# KiCad board hellen88m42bmw.kicad_pcb
title: Hellen88bmw; date: 2022-06-21; rev: B; company: rusEFI.com
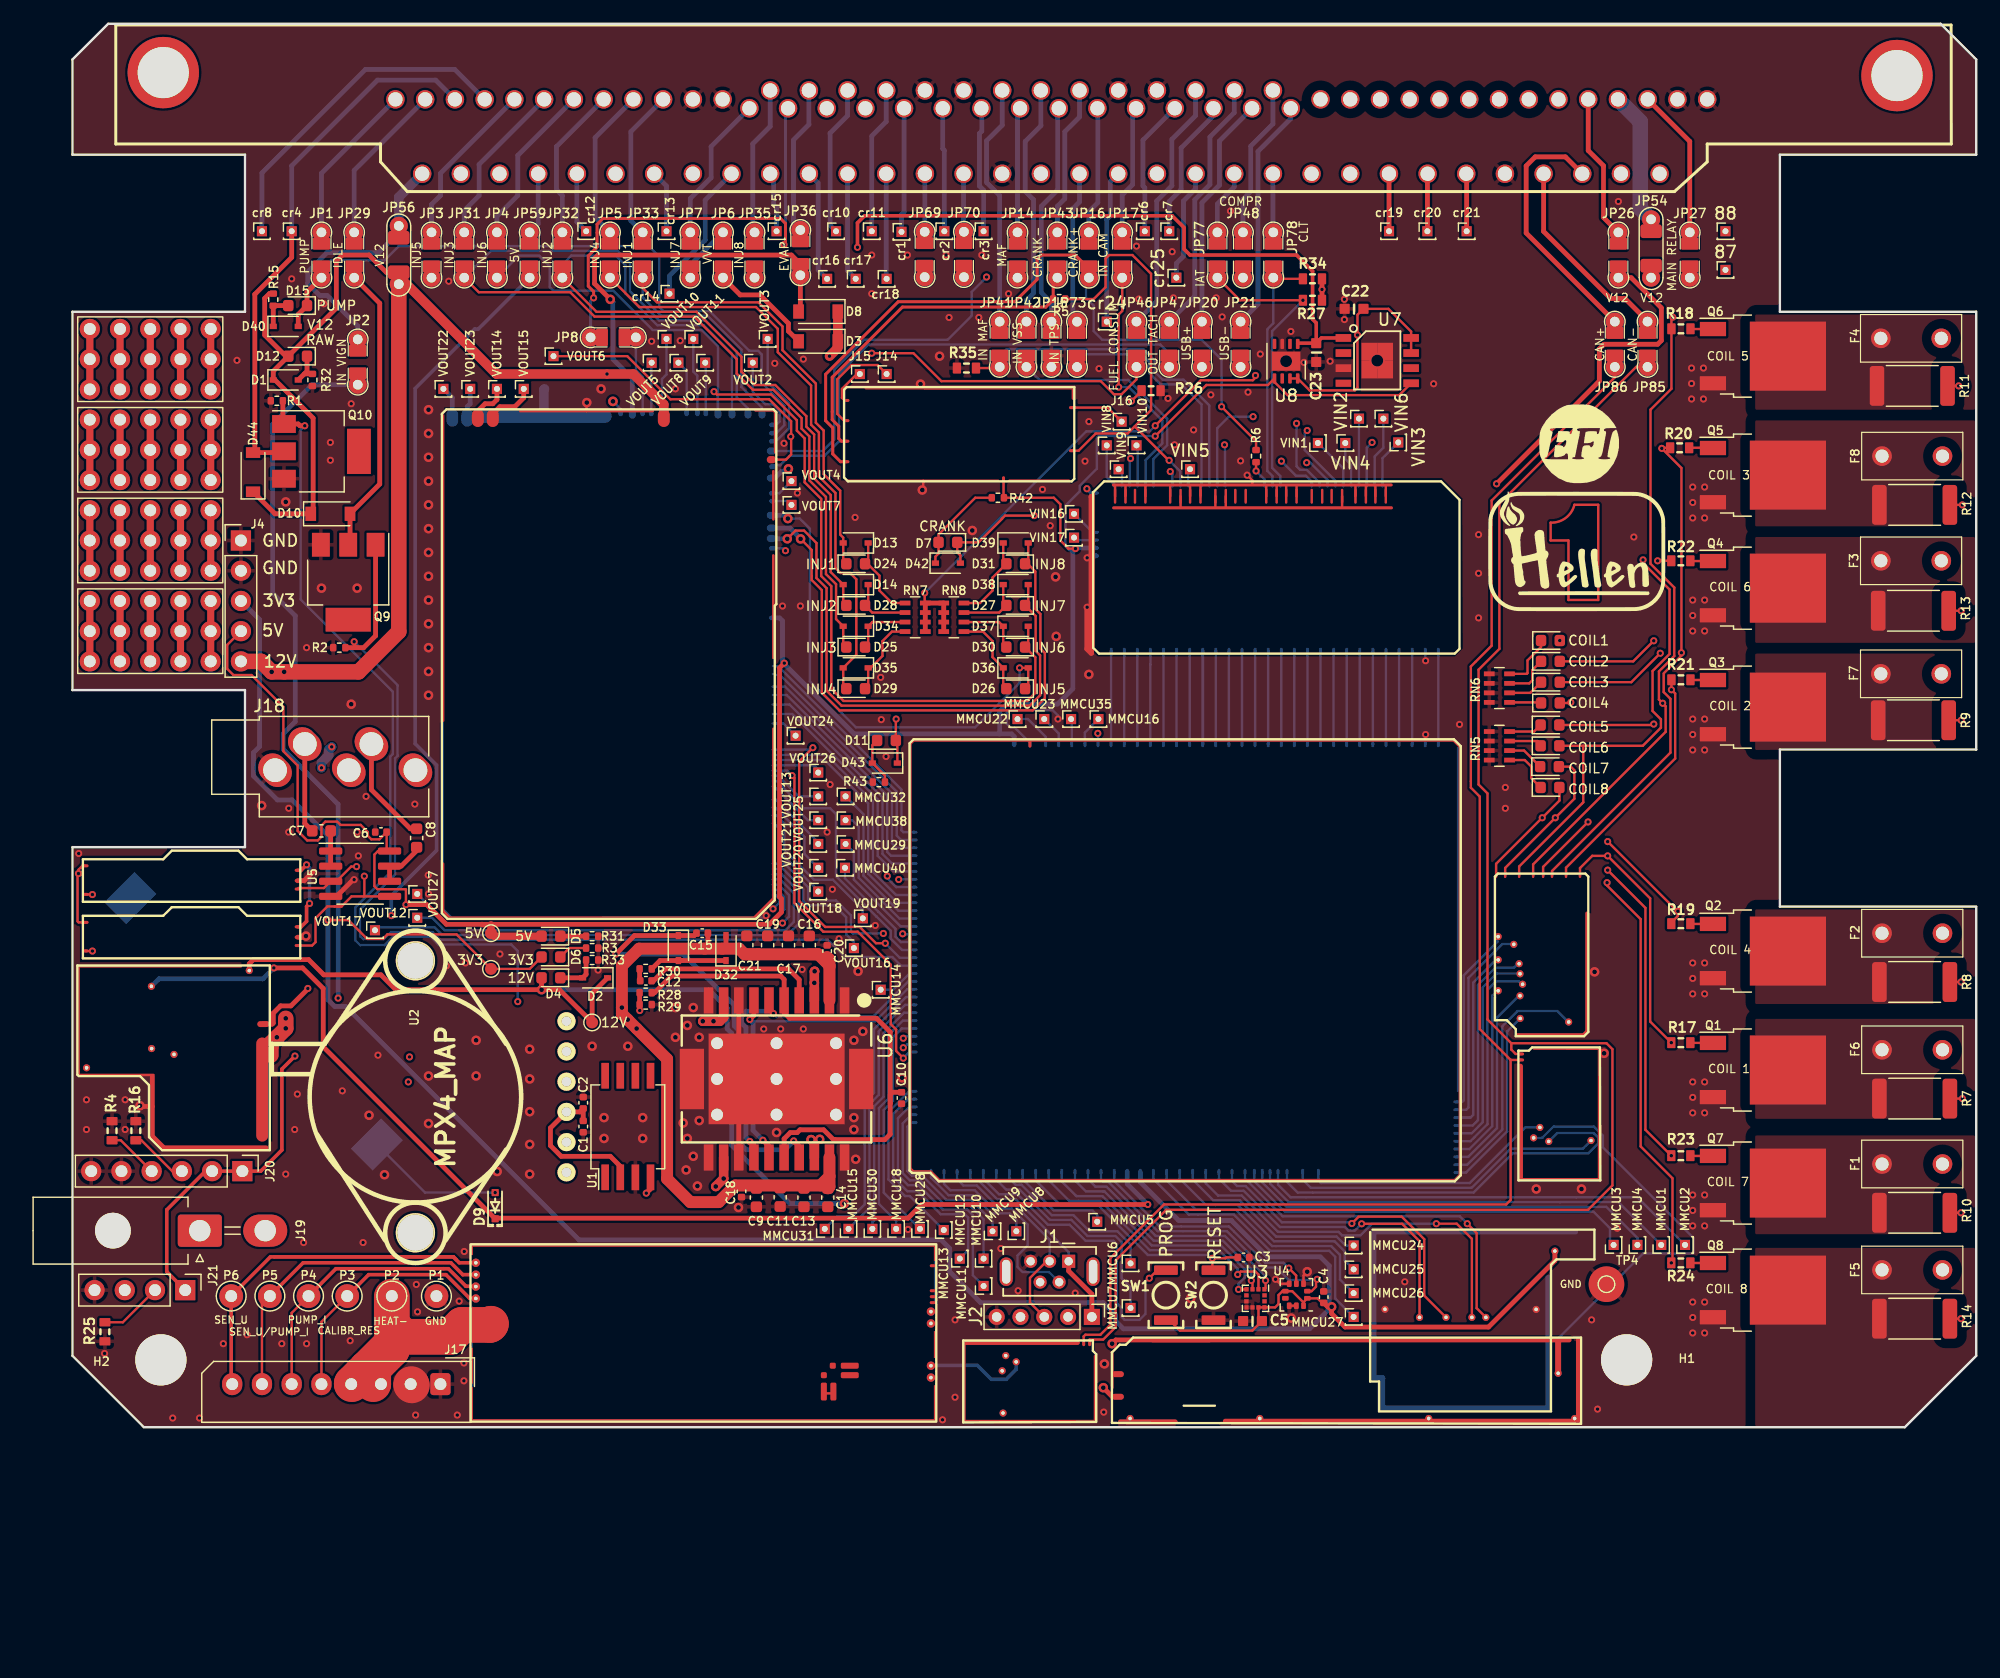
[diagram p0: board, top side]
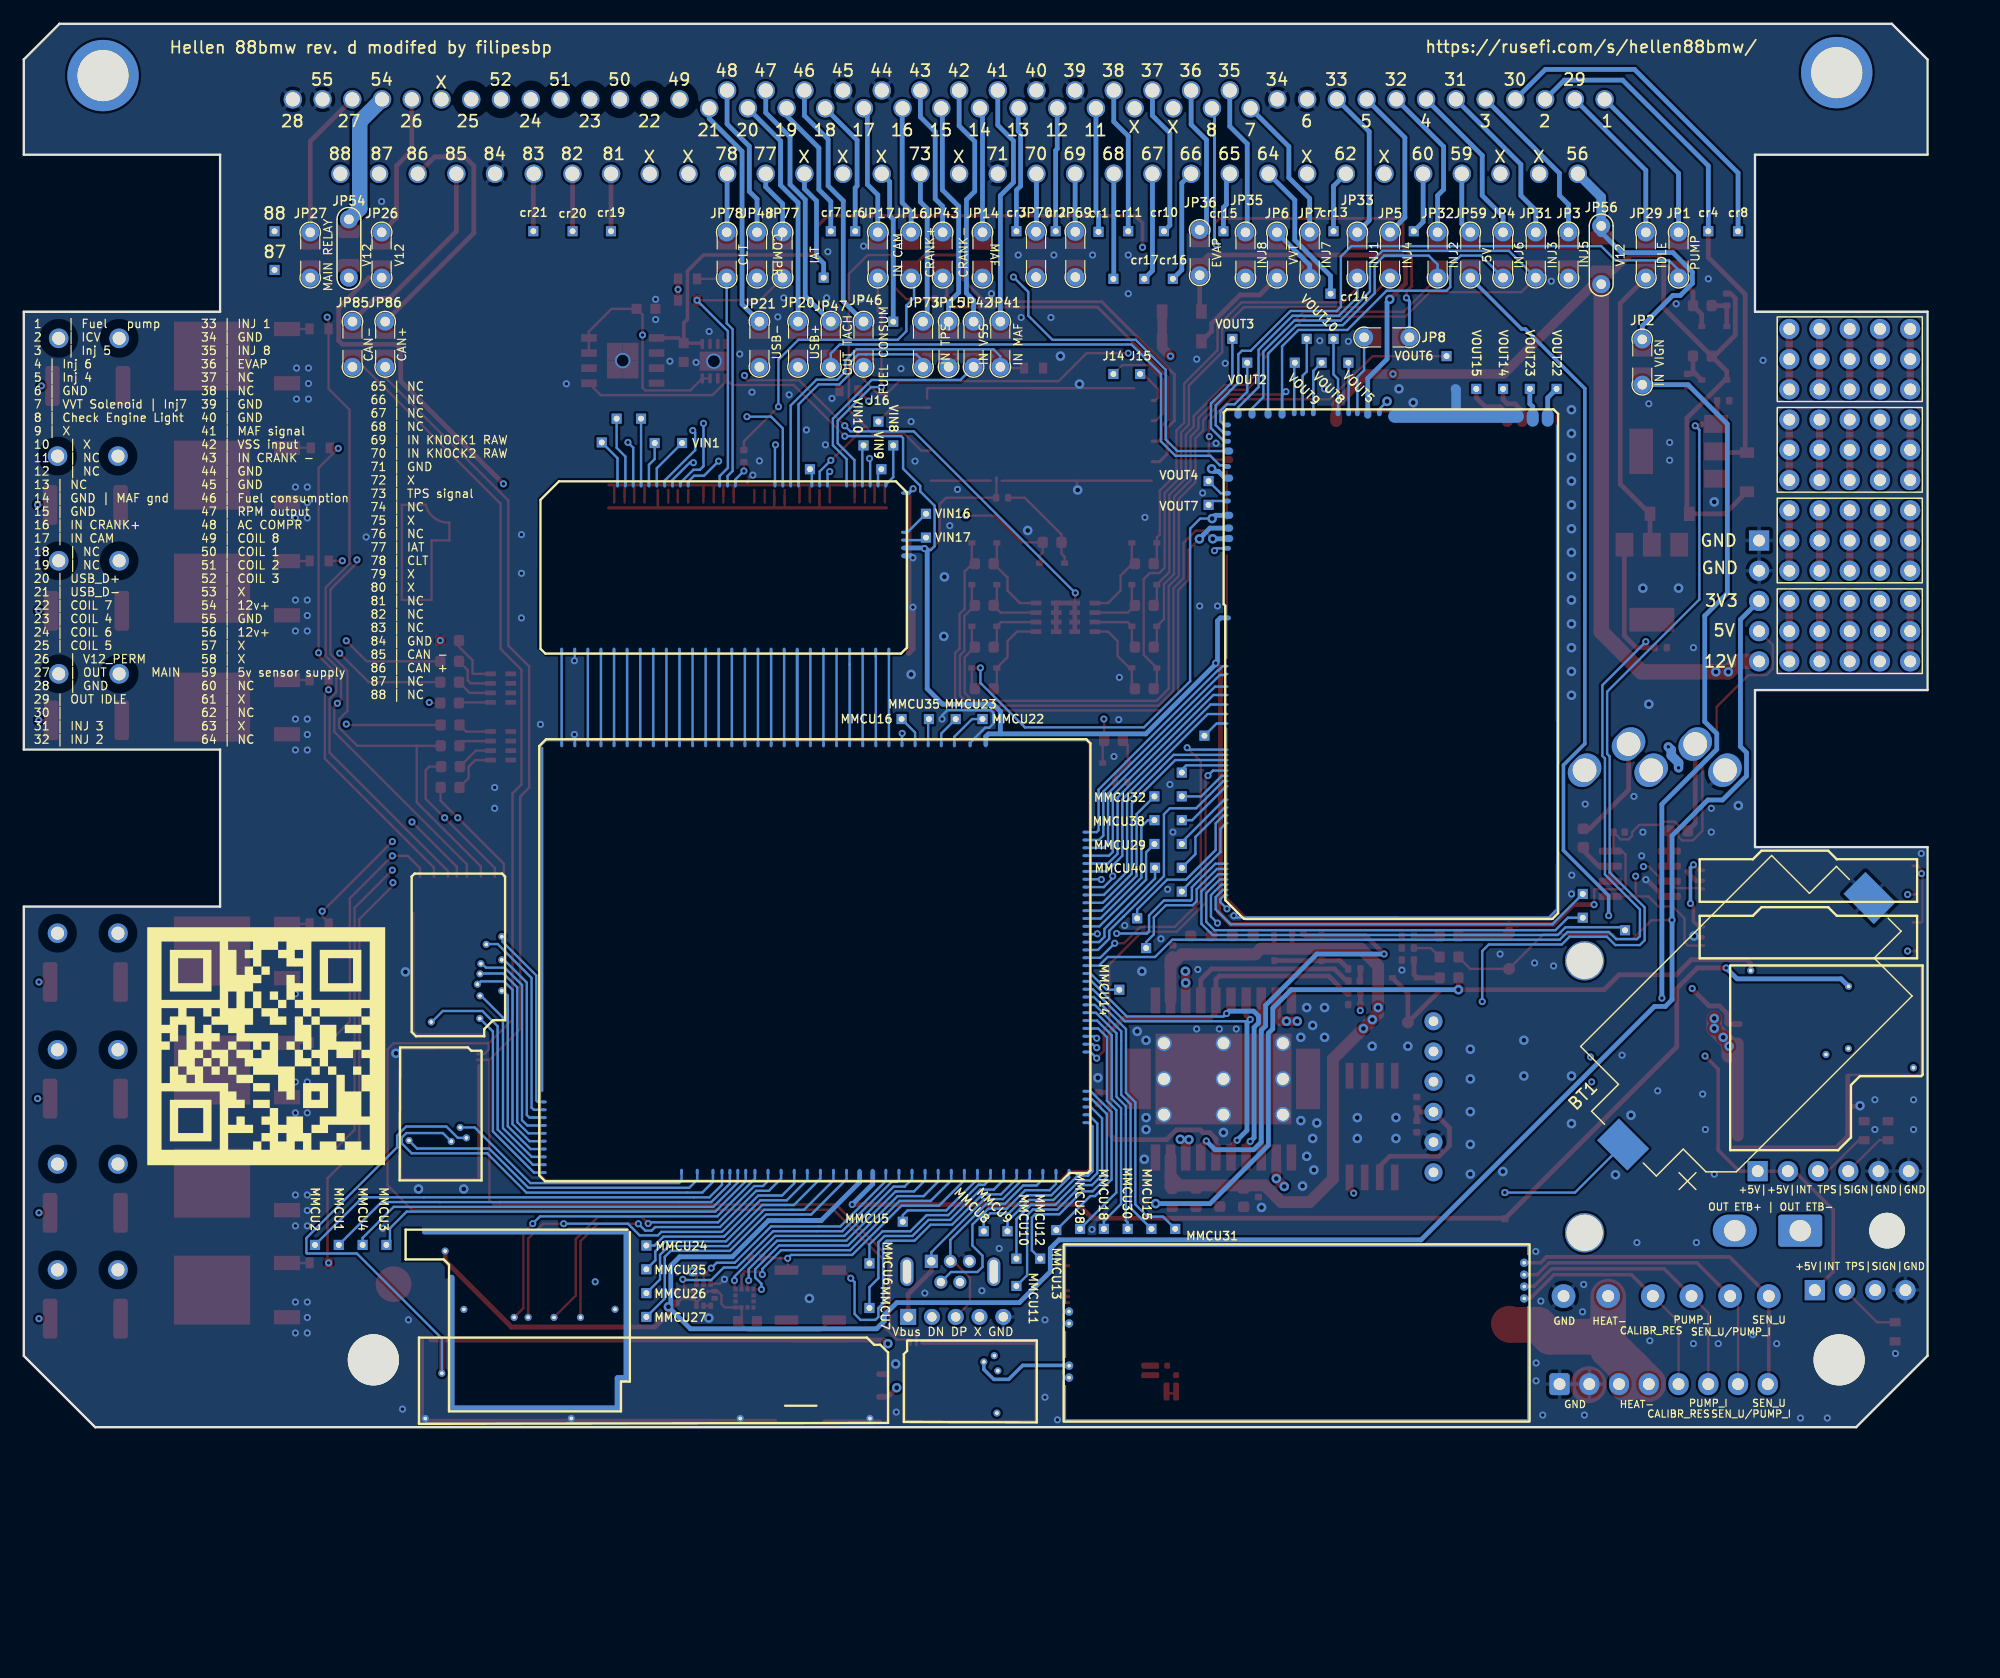
[diagram p1: board, bottom side, seen from below]

Outline 160 x 117.96 mm; copper layers: Top, In1.Cu, In2.Cu, Bottom. Coordinates in mm from the lower left corner of the outline.
Outline path: 0,114.96 3,117.96 157,117.96 160,114.96 160,106.96 143.5,106.96 143.5,93.76 160,93.76 160,56.96 143.5,56.96 143.5,43.76 160,43.76 160,6 154,0 6,0 0,6 0,48.76 14.5,48.76 14.5,61.96 0,61.96 0,93.76 14.5,93.76 14.5,106.96 0,106.96 0,114.96
Stack: Top 0.035mm / dielectric 0.125mm FR4 er 4.5 / In1.Cu 0.035mm / dielectric 1.1mm FR4 er 4.5 / In2.Cu 0.035mm / dielectric 0.125mm FR4 er 4.5 / Bottom 0.035mm

## Placement (name value [footprint] x y rotation side)
BT1  BATTERY_CR2032  [BatteryHolder_Keystone_1060_1x2032]  15.23 34.12 135 bottom
C1  100nF  [C_0402_1005Metric]  42.93 25.27 270 top
C2  100nF  [C_0402_1005Metric]  42.93 27.27 90 top
C3  100nF  [C_0402_1005Metric]  98.43 14.27 0 top
C4  100nF  [C_0402_1005Metric]  105.16 10.94 90 top
C5  100n  [C0603]  99.18 8.92 0 top
C6  100nF  [C_0402_1005Metric]  25.93 50.02 180 top
C7  10u  [C_0603_1608Metric]  20.93 50.12 180 top
C8  10u  [C_0603_1608Metric]  28.93 49.52 90 top
C9  10u  [C_0603_1608Metric]  57.48 19.3 270 top
C10  5.6nF  [C_0402_1005Metric]  69.68 27.67 270 top
C11  10u  [C_0603_1608Metric]  59.48 19.33 270 top
C12  10nF  [C_0402_1005Metric]  48.2 37.52 0 top
C13  10u  [C_0603_1608Metric]  61.48 19.3 270 top
C14  10u  [C_0603_1608Metric]  63.48 19.3 270 top
C15  220nF  [C_0402_1005Metric]  52.93 41.52 180 top
C16  10u  [C_0603_1608Metric]  61.93 40.52 90 top
C17  10u  [C_0603_1608Metric]  60.18 40.52 90 top
C18  100nF  [C_0402_1005Metric]  56.23 19.82 270 top
C19  10u  [C_0603_1608Metric]  58.43 40.52 90 top
C20  100nF  [C_0402_1005Metric]  63.43 40.02 90 top
C21  10u  [C_0603_1608Metric]  56.68 40.52 90 top
C22  1u  [C0603]  107.71 94 0 top
C23  1u  [C0603]  104.53 90.33 90 top
cr1  cr  [PinHeader_1x01_P1.00mm_Vertical]  69.68 100.47 0 top
cr2  cr  [PinHeader_1x01_P1.00mm_Vertical]  73.28 100.52 0 top
cr3  cr  [PinHeader_1x01_P1.00mm_Vertical]  76.58 100.52 0 top
cr4  cr  [PinHeader_1x01_P1.00mm_Vertical]  18.43 100.52 0 top
cr6  cr  [PinHeader_1x01_P1.00mm_Vertical]  90.13 100.52 0 top
cr7  cr  [PinHeader_1x01_P1.00mm_Vertical]  92.18 100.52 0 top
cr8  cr  [PinHeader_1x01_P1.00mm_Vertical]  15.93 100.52 0 top
cr10  cr  [PinHeader_1x01_P1.00mm_Vertical]  64.18 100.52 0 top
cr11  cr  [PinHeader_1x01_P1.00mm_Vertical]  67.18 100.52 0 top
cr12  cr  [PinHeader_1x01_P1.00mm_Vertical]  43.18 100.52 0 top
cr13  cr  [PinHeader_1x01_P1.00mm_Vertical]  49.93 100.52 0 top
cr14  cr  [PinHeader_1x01_P1.00mm_Vertical]  50.18 95.27 0 top
cr15  cr  [PinHeader_1x01_P1.00mm_Vertical]  59.18 100.52 0 top
cr16  cr  [PinHeader_1x01_P1.00mm_Vertical]  63.43 96.52 0 top
cr17  cr  [PinHeader_1x01_P1.00mm_Vertical]  65.83 96.52 0 top
cr18  cr  [PinHeader_1x01_P1.00mm_Vertical]  68.43 96.52 0 top
cr19  cr  [PinHeader_1x01_P1.00mm_Vertical]  110.65 100.52 0 top
cr20  cr  [PinHeader_1x01_P1.00mm_Vertical]  113.88 100.52 0 top
cr21  cr  [PinHeader_1x01_P1.00mm_Vertical]  117.18 100.52 0 top
cr22  cr  [PinHeader_1x01_P1.00mm_Vertical]  138.93 97.27 0 top
cr23  cr  [PinHeader_1x01_P1.00mm_Vertical]  138.93 100.52 0 top
cr24  cr  [PinHeader_1x01_P1.00mm_Vertical]  86.93 92.92 0 top
cr25  cr  [PinHeader_1x01_P1.00mm_Vertical]  92.78 96.62 0 top
D1  1N4148WS  [D_SOD-323]  17.93 88.02 0 top
D2  1N4148WS  [D_SOD-323]  43.93 37.77 180 top
D3  B5819W  [D_SOD-123]  62.68 91.27 180 top
D4  LED-GREEN-0603  [LED_0603_1608Metric]  40.21 37.77 180 top
D5  LED-GREEN-0603  [LED_0603_1608Metric]  40.21 41.27 180 top
D6  LED-GREEN-0603  [LED_0603_1608Metric]  40.21 39.52 180 top
D7  LED-WHITE-0603  [LED_0603_1608Metric]  73.58 74.37 180 top
D8  B5819W  [D_SOD-123]  62.68 93.77 180 top
D9  1N4148WS  [SOD-323]  35.53 18.62 90 top
D10  B5819W  [D_SOD-123]  21.68 76.77 0 top
D11  LED-RED-0603  [LED_0603_1608Metric]  68.41 57.72 0 top
D12  LED-GREEN-0603  [LED_0603_1608Metric]  18.93 90.02 180 top
D13  1N4148WS  [D_SOD-323]  65.83 74.32 180 top
D14  1N4148WS  [D_SOD-323]  65.83 70.82 180 top
D15  LED-RED-0603  [LED_0603_1608Metric]  18.93 94.27 180 top
D16  LED-BLUE-0603  [LED_0603_1608Metric]  124.18 53.77 0 top
D17  LED-BLUE-0603  [LED_0603_1608Metric]  124.18 57.27 0 top
D18  LED-BLUE-0603  [LED_0603_1608Metric]  124.21 60.87 0 top
D19  LED-BLUE-0603  [LED_0603_1608Metric]  124.21 64.37 0 top
D20  LED-BLUE-0603  [LED_0603_1608Metric]  124.14 55.52 0 top
D21  LED-BLUE-0603  [LED_0603_1608Metric]  124.18 59.02 0 top
D22  LED-BLUE-0603  [LED_0603_1608Metric]  124.21 62.62 0 top
D23  LED-BLUE-0603  [LED_0603_1608Metric]  124.21 66.12 0 top
D24  LED-RED-0603  [LED_0603_1608Metric]  65.83 72.57 0 top
D25  LED-RED-0603  [LED_0603_1608Metric]  65.83 65.57 0 top
D26  LED-RED-0603  [LED_0603_1608Metric]  79.28 62.07 180 top
D27  LED-RED-0603  [LED_0603_1608Metric]  79.28 69.07 180 top
D28  LED-RED-0603  [LED_0603_1608Metric]  65.83 69.07 0 top
D29  LED-RED-0603  [LED_0603_1608Metric]  65.83 62.07 0 top
D30  LED-RED-0603  [LED_0603_1608Metric]  79.28 65.57 180 top
D31  LED-RED-0603  [LED_0603_1608Metric]  79.28 72.57 180 top
D32  1N4148WS  [D_SOD-323]  54.93 40.27 90 top
D33  1N4148WS  [D_SOD-323]  50.93 40.27 270 top
D34  1N4148WS  [D_SOD-323]  65.83 67.32 180 top
D35  1N4148WS  [D_SOD-323]  65.83 63.82 180 top
D36  1N4148WS  [D_SOD-323]  79.28 63.82 0 top
D37  1N4148WS  [D_SOD-323]  79.28 67.32 0 top
D38  1N4148WS  [D_SOD-323]  79.28 70.82 0 top
D39  1N4148WS  [D_SOD-323]  79.28 74.32 0 top
D40  1N4148WS  [D_SOD-323]  17.93 92.52 0 top
D42  1N4148WS  [D_SOD-323]  73.58 72.62 0 top
D43  1N4148WS  [D_SOD-323]  68.28 55.82 180 top
D44  B5819W  [D_SOD-123]  15.18 80.27 90 top
F1  10A  [36911600000]  154.63 22.12 180 top
F2  10A  [36911600000]  154.63 41.52 180 top
F3  10A  [36911600000]  154.53 72.82 180 top
F4  10A  [36911600000]  154.53 91.52 180 top
F5  10A  [36911600000]  154.63 13.22 180 top
F6  10A  [36911600000]  154.63 31.72 180 top
F7  10A  [36911600000]  154.53 63.32 180 top
F8  10A  [36911600000]  154.63 81.62 180 top
G1  -  [LOGO]  126.73 73.53 0 top
G2  -  [LOGO]  126.63 82.62 0 top
G3  -  [PROTO_AREA]  1.46 92.31 0 top
G4  -  [PROTO_AREA]  1.46 69.45 0 top
G6  -  [PROTO_AREA]  1.46 77.07 0 top
G7  -  [PROTO_AREA]  1.46 84.69 0 top
Gqr  -  [LOGO]  139.63 32.02 180 bottom
H1  MountingHole  [MountingHole_4.3mm_M4_DIN965]  130.62 5.66 0 top
H2  MountingHole  [MountingHole_4.3mm_M4_DIN965]  7.43 5.66 0 top
J1  USB_B_Mini  [USB-MINI-B-VERTICAL]  82.13 13.07 180 top
J2  Conn_01x05  [PinHeader_1x05_P2.00mm_Vertical]  85.68 9.27 270 top
J4  Conn_01x05  [PinHeader_1x05_P2.54mm_Vertical]  14.16 74.53 0 top
J14  VRIN1  [PinHeader_1x01_P1.00mm_Vertical]  68.43 88.52 0 top
J15  VRIN2  [PinHeader_1x01_P1.00mm_Vertical]  66.18 88.52 0 top
J16  VROUT1  [PinHeader_1x01_P1.00mm_Vertical]  88.18 84.52 0 top
J17  -  [XH-8A]  22.18 2.52 180 top
J18  AudioJack_THR  [Jack_3.5mm_PJ-3250-5A]  20.83 55.52 90 top
J19  MiniFit  [Molex_Mini-Fit_Jr_5569-02A2_2x01_P4.20mm_Horizontal]  10.7 16.52 90 top
J20  ETB  [PinHeader_1x06_P2.54mm_Vertical]  14.28 21.52 270 top
J21  PPS  [PinHeader_1x04_P2.54mm_Vertical]  9.48 11.52 270 top
JP1  Jumper_2_Open  [PAD-0805-PAD]  20.93 98.52 270 top
JP2  Jumper_2_Open  [PAD-0805-PAD]  23.98 89.53 270 top
JP3  Jumper_2_Open  [PAD-0805-PAD]  30.18 98.52 270 top
JP4  Jumper_2_Open  [PAD-0805-PAD]  35.68 98.52 270 top
JP5  Jumper_2_Open  [PAD-0805-PAD]  45.18 98.52 270 top
JP6  Jumper_2_Open  [PAD-0805-PAD]  54.68 98.52 270 top
JP7  Jumper_2_Open  [PAD-0805-PAD]  51.93 98.52 270 top
JP8  Jumper_2_Open  [PAD-0805-PAD]  45.45 91.6 0 top
JP14  Jumper_2_Open  [PAD-0805-PAD]  79.43 98.52 270 top
JP15  Jumper_2_Open  [PAD-0805-PAD]  82.28 91.02 270 top
JP16  Jumper_2_Open  [PAD-0805-PAD]  85.43 98.52 270 top
JP17  Jumper_2_Open  [PAD-0805-PAD]  88.23 98.52 270 top
JP20  Jumper_2_Open  [PAD-0805-PAD]  94.93 91.02 270 top
JP21  Jumper_2_Open  [PAD-0805-PAD]  98.18 91.02 270 top
JP26  Jumper_2_Open  [PAD-0805-PAD]  129.93 98.52 270 top
JP27  Jumper_2_Open  [PAD-0805-PAD]  135.93 98.52 270 top
JP29  Jumper_2_Open  [PAD-0805-PAD]  23.68 98.52 270 top
JP31  Jumper_2_Open  [PAD-0805-PAD]  32.93 98.52 270 top
JP32  Jumper_2_Open  [PAD-0805-PAD]  41.18 98.52 270 top
JP33  Jumper_2_Open  [PAD-0805-PAD]  47.93 98.52 270 top
JP35  Jumper_2_Open  [PAD-0805-PAD]  57.33 98.52 270 top
JP36  Jumper_2_Open  [PAD-0805-PAD]  61.18 98.73 270 top
JP41  Jumper_2_Open  [PAD-0805-PAD]  77.93 91.02 270 top
JP42  Jumper_2_Open  [PAD-0805-PAD]  80.18 91.02 270 top
JP43  Jumper_2_Open  [PAD-0805-PAD]  82.78 98.52 270 top
JP46  Jumper_2_Open  [PAD-0805-PAD]  89.43 91.02 270 top
JP47  Jumper_2_Open  [PAD-0805-PAD]  92.18 91.02 270 top
JP48  Jumper_2_Open  [PAD-0805-PAD]  98.38 98.52 270 top
JP54  Jumper_2_Open  [PAD-1206-PAD]  132.68 99.07 270 top
JP56  Jumper_2_Open  [PAD-1206-PAD]  27.43 98.52 270 top
JP59  Jumper_2_Open  [PAD-0805-PAD]  38.43 98.52 270 top
JP69  Jumper_2_Open  [PAD-0805-PAD]  71.63 98.57 270 top
JP70  Jumper_2_Open  [PAD-0805-PAD]  74.93 98.57 270 top
JP73  Jumper_2_Open  [PAD-0805-PAD]  84.43 91.02 270 top
JP77  Jumper_2_Open  [PAD-0805-PAD]  96.23 98.52 270 top
JP78  Jumper_2_Open  [PAD-0805-PAD]  100.93 98.52 270 top
JP85  Jumper_2_Open  [PAD-0805-PAD]  132.38 91.02 270 top
JP86  Jumper_2_Open  [PAD-0805-PAD]  129.63 91.02 270 top
M1  Module-power12-0.2  [power12]  0.31 23.18 0 top
M2  Module-can-0.1  [can]  121.43 32.02 270 top
M3  Module-wbo-0.3  [wbo]  72.7 15.47 180 top
M4  Module-can-0.1  [can]  86.14 7.39 180 top
M5  Module-power5-0.2  [power5]  126.89 7.64 180 top
M6  Module-vr-0.1  [vr]  84.5 87.53 180 top
M7  Module-input-0.1  [input]  116.68 79.6 180 top
M8  Module-knock-0.1  [knock]  0.78 44.06 0 top
M9  Module-output-0.3  [output]  59.23 85.66 180 top
M10  Module-ign8-0.2  [ign8]  127.43 46.63 180 top
M11  Module-mcu144-0.6  [mcu]  116.78 57.92 180 top
M12  Module-knock-0.1  [knock]  0.78 39.31 0 top
M13  Module-sd-0.1  [sd]  128.01 1.23 180 bottom
MMCU1  MMCU  [PinHeader_1x01_P1.00mm_Vertical]  133.53 15.32 90 top
MMCU2  MMCU  [PinHeader_1x01_P1.00mm_Vertical]  135.53 15.32 90 top
MMCU3  MMCU  [PinHeader_1x01_P1.00mm_Vertical]  129.53 15.32 90 top
MMCU4  MMCU  [PinHeader_1x01_P1.00mm_Vertical]  131.53 15.32 90 top
MMCU5  MMCU  [PinHeader_1x01_P1.00mm_Vertical]  86.13 17.27 0 top
MMCU6  MMCU  [PinHeader_1x01_P1.00mm_Vertical]  88.93 13.77 0 top
MMCU7  MMCU  [PinHeader_1x01_P1.00mm_Vertical]  88.93 10.02 0 top
MMCU8  MMCU  [PinHeader_1x01_P1.00mm_Vertical]  79.33 16.47 90 top
MMCU9  MMCU  [PinHeader_1x01_P1.00mm_Vertical]  77.33 16.47 90 top
MMCU10  MMCU  [PinHeader_1x01_P1.00mm_Vertical]  76.58 14.17 90 top
MMCU11  MMCU  [PinHeader_1x01_P1.00mm_Vertical]  76.58 11.87 90 top
MMCU12  MMCU  [PinHeader_1x01_P1.00mm_Vertical]  74.58 14.17 90 top
MMCU13  MMCU  [PinHeader_1x01_P1.00mm_Vertical]  73.23 16.57 90 top
MMCU14  MMCU  [PinHeader_1x01_P1.00mm_Vertical]  67.93 36.77 0 top
MMCU15  MMCU  [PinHeader_1x01_P1.00mm_Vertical]  65.23 16.67 90 top
MMCU16  MMCU  [PinHeader_1x01_P1.00mm_Vertical]  86.23 59.52 0 top
MMCU18  MMCU  [PinHeader_1x01_P1.00mm_Vertical]  69.23 16.67 90 top
MMCU22  MMCU  [PinHeader_1x01_P1.00mm_Vertical]  79.43 59.52 0 top
MMCU23  MMCU  [PinHeader_1x01_P1.00mm_Vertical]  81.68 59.52 0 top
MMCU24  MMCU  [PinHeader_1x01_P1.00mm_Vertical]  107.68 15.27 0 top
MMCU25  MMCU  [PinHeader_1x01_P1.00mm_Vertical]  107.68 13.27 0 top
MMCU26  MMCU  [PinHeader_1x01_P1.00mm_Vertical]  107.68 11.27 0 top
MMCU27  MMCU  [PinHeader_1x01_P1.00mm_Vertical]  107.68 9.27 0 top
MMCU28  MMCU  [PinHeader_1x01_P1.00mm_Vertical]  71.23 16.67 90 top
MMCU29  MMCU  [PinHeader_1x01_P1.00mm_Vertical]  64.98 49.02 0 top
MMCU30  MMCU  [PinHeader_1x01_P1.00mm_Vertical]  67.23 16.67 90 top
MMCU31  MMCU  [PinHeader_1x01_P1.00mm_Vertical]  63.23 16.67 90 top
MMCU32  MMCU  [PinHeader_1x01_P1.00mm_Vertical]  64.98 53.02 0 top
MMCU35  MMCU  [PinHeader_1x01_P1.00mm_Vertical]  83.93 59.52 0 top
MMCU38  MMCU  [PinHeader_1x01_P1.00mm_Vertical]  64.98 51.02 0 top
MMCU40  MMCU  [PinHeader_1x01_P1.00mm_Vertical]  64.93 47.02 0 top
P1  P  [Pin_D1.0mm_L10.0mm]  30.59 11.02 0 top
P2  P  [Pin_D1.0mm_L10.0mm]  26.84 11.02 0 top
P3  P  [Pin_D1.0mm_L10.0mm]  23.09 11.02 0 top
P4  P  [Pin_D1.0mm_L10.0mm]  19.84 11.02 0 top
P5  P  [Pin_D1.0mm_L10.0mm]  16.59 11.02 0 top
P6  P  [Pin_D1.0mm_L10.0mm]  13.34 11.02 0 top
PP1  Motronic_88pin  [88pin_STS]  27.14 111.61 0 top
Q1  NGD8201AN  [TO-252-2]  142.07 30.02 0 top
Q2  NGD8201AN  [TO-252-2]  142.07 40.02 0 top
Q3  NGD8201AN  [TO-252-2]  142.07 60.52 0 top
Q4  NGD8201AN  [TO-252-2]  142.07 70.52 0 top
Q5  NGD8201AN  [TO-252-2]  142.07 80.02 0 top
Q6  NGD8201AN  [TO-252-2]  142.07 90.02 0 top
Q7  NGD8201AN  [TO-252-2]  142.07 20.52 0 top
Q8  NGD8201AN  [TO-252-2]  142.07 11.52 0 top
Q9  AUIPS2041LTR  [SOT-223]  23.18 71.02 270 top
Q10  AUIPS2041LTR  [SOT-223]  20.93 82.02 0 top
R1  10k  [R_0402_1005Metric]  17.18 86.27 0 top
R2  10k  [R_0402_1005Metric]  22.43 65.52 0 top
R3  750R  [R_0402_1005Metric]  43.68 40.27 0 top
R4  680k  [R0603]  3.33 24.92 270 top
R5  DNP  [R_0402_1005Metric]  82.93 94.82 0 top
R6  DNP  [R_0402_1005Metric]  99.48 81.62 270 top
R7  DNP  [R_2512_6332Metric]  154.83 27.62 0 top
R8  DNP  [R_2512_6332Metric]  154.83 37.42 0 top
R9  DNP  [R_2512_6332Metric]  154.73 59.42 0 top
R10  DNP  [R_2512_6332Metric]  154.83 18.02 0 top
R11  DNP  [R_2512_6332Metric]  154.63 87.52 180 top
R12  DNP  [R_2512_6332Metric]  154.83 77.52 180 top
R13  DNP  [R_2512_6332Metric]  154.73 68.62 180 top
R14  DNP  [R_2512_6332Metric]  154.83 9.12 180 top
R15  20k  [R_0402_1005Metric]  16.88 94.77 270 top
R16  680k  [R0603]  5.33 24.92 270 top
R17  22  [R0603]  135.17 32.32 180 top
R18  22  [R0603]  135.19 92.32 180 top
R19  22  [R0603]  135.17 42.32 180 top
R20  22  [R0603]  135.07 82.32 180 top
R21  22  [R0603]  135.19 62.82 180 top
R22  22  [R0603]  135.17 72.82 180 top
R23  22  [R0603]  135.17 22.82 180 top
R24  22  [R0603]  135.18 13.81 180 top
R25  680k  [R0603]  2.73 8.02 90 top
R26  DNP  [R0603]  90.65 87.12 180 top
R27  2.7k  [R0603]  104.22 94.72 0 top
R28  100k  [R_0402_1005Metric]  48.18 36.52 180 top
R29  10k  [R_0402_1005Metric]  48.18 35.52 180 top
R30  100  [R_0402_1005Metric]  48.18 38.52 0 top
R31  1k6  [R_0402_1005Metric]  43.68 41.27 0 top
R32  5k1  [R_0402_1005Metric]  20.17 88.02 270 top
R33  5k1  [R_0402_1005Metric]  43.68 39.27 0 top
R34  2.7k  [R0603]  104.22 96.52 0 top
R35  DNP  [R0603]  75.14 89.02 0 top
R42  4.7k  [R_0402_1005Metric]  77.78 78.12 180 top
R43  5k1  [R_0402_1005Metric]  67.78 54.22 180 top
RN5  1k  [R_Array_Concave_4x0603]  119.93 57.27 0 top
RN6  1k  [R_Array_Concave_4x0603]  119.93 62.12 0 top
RN7  4.7k  [R_Array_Concave_4x0603]  70.83 68.07 180 top
RN8  4.7k  [R_Array_Concave_4x0603]  74.08 68.07 0 top
SW1  Button_SPST  [SMD-2_2.9x3.9x1.7]  91.9 11.1 270 top
SW2  Button_SPST  [SMD-2_2.9x3.9x1.7]  95.9 11.1 270 top
TP1  TestPoint  [TestPoint_Pad_D1.0mm#2]  43.68 34.02 180 top
TP2  TestPoint  [TestPoint_Pad_D1.0mm#2]  35.18 41.52 180 top
TP3  TestPoint  [TestPoint_Pad_D1.0mm#2]  35.18 38.52 180 top
TP4  TestPoint  [TestPoint_Pad_D1.0mm]  128.93 12.02 0 top
U1  MPXA6115A  [SSO-8_6.8x5.9mm_P1.27mm_Clearance7mm]  46.68 25.27 90 top
U2  MPX4_MAP  [MPX-4_MAP]  25.01 27.77 90 top
U3  LIS2DW12TR  [LGA-12_2x2mm_P0.5mm]  99.43 10.83 270 top
U4  LPS25HB  [ST_HLGA-10_2.5x2.5mm_P0.6mm_LayoutBorder3x2y]  102.86 11.14 180 top
U5  MCP6002-xSN  [SOIC-8_3.9x4.9mm_P1.27mm]  24.18 46.52 0 top
U6  L6205PD  [SO20POWER]  59.18 29.27 180 top
U7  TLS115_SOIC  [PG-DSO-8-43]  109.66 89.65 0 top
U8  TLS115_SON  [HVSON-8-1EP_3x3mm_P0.65mm_EP1.6x2.4mm]  102 89.6 270 top
VIN1  VIN8  [PinHeader_1x01_P1.00mm_Vertical]  104.68 82.72 90 top
VIN2  VIN8  [PinHeader_1x01_P1.00mm_Vertical]  108.13 84.77 0 top
VIN3  VIN8  [PinHeader_1x01_P1.00mm_Vertical]  111.43 82.77 90 top
VIN4  VIN8  [PinHeader_1x01_P1.00mm_Vertical]  106.98 82.72 0 top
VIN5  VIN8  [PinHeader_1x01_P1.00mm_Vertical]  93.93 80.52 0 top
VIN6  VIN8  [PinHeader_1x01_P1.00mm_Vertical]  110.18 84.77 0 top
VIN8  VIN8  [PinHeader_1x01_P1.00mm_Vertical]  86.93 82.52 0 top
VIN9  VIN9  [PinHeader_1x01_P1.00mm_Vertical]  87.93 80.52 0 top
VIN10  VIN10  [PinHeader_1x01_P1.00mm_Vertical]  89.43 82.52 0 top
VIN16  VIN16  [PinHeader_1x01_P1.00mm_Vertical]  84.18 76.77 0 top
VIN17  VIN17  [PinHeader_1x01_P1.00mm_Vertical]  84.18 74.77 0 top
VOUT2  VOUT4  [PinHeader_1x01_P1.00mm_Vertical]  57.18 89.47 0 top
VOUT3  VOUT4  [PinHeader_1x01_P1.00mm_Vertical]  58.43 91.47 0 top
VOUT4  VOUT4  [PinHeader_1x01_P1.00mm_Vertical]  60.43 79.52 0 top
VOUT5  VOUT5  [PinHeader_1x01_P1.00mm_Vertical]  48.68 89.47 0 top
VOUT6  VOUT6  [PinHeader_1x01_P1.00mm_Vertical]  40.43 90.02 0 top
VOUT7  VOUT4  [PinHeader_1x01_P1.00mm_Vertical]  60.43 77.52 0 top
VOUT8  VOUT4  [PinHeader_1x01_P1.00mm_Vertical]  50.93 89.47 0 top
VOUT9  VOUT4  [PinHeader_1x01_P1.00mm_Vertical]  53.18 89.47 0 top
VOUT10  VOUT4  [PinHeader_1x01_P1.00mm_Vertical]  49.93 91.47 0 top
VOUT11  VOUT4  [PinHeader_1x01_P1.00mm_Vertical]  52.18 91.47 0 top
VOUT12  VOUT4  [PinHeader_1x01_P1.00mm_Vertical]  28.98 42.82 0 top
VOUT13  VOUT4  [PinHeader_1x01_P1.00mm_Vertical]  62.68 53.02 0 top
VOUT14  VOUT4  [PinHeader_1x01_P1.00mm_Vertical]  35.68 87.27 0 top
VOUT15  VOUT4  [PinHeader_1x01_P1.00mm_Vertical]  37.93 87.27 0 top
VOUT16  VOUT4  [PinHeader_1x01_P1.00mm_Vertical]  65.68 40.27 0 top
VOUT17  VOUT4  [PinHeader_1x01_P1.00mm_Vertical]  25.43 41.77 0 top
VOUT18  VOUT4  [PinHeader_1x01_P1.00mm_Vertical]  62.68 45.02 0 top
VOUT19  VOUT4  [PinHeader_1x01_P1.00mm_Vertical]  66.43 42.77 0 top
VOUT20  VOUT4  [PinHeader_1x01_P1.00mm_Vertical]  62.68 47.02 0 top
VOUT21  VOUT4  [PinHeader_1x01_P1.00mm_Vertical]  62.68 49.02 0 top
VOUT22  VOUT4  [PinHeader_1x01_P1.00mm_Vertical]  31.18 87.27 0 top
VOUT23  VOUT4  [PinHeader_1x01_P1.00mm_Vertical]  33.43 87.27 0 top
VOUT24  VOUT4  [PinHeader_1x01_P1.00mm_Vertical]  60.78 58.12 0 top
VOUT25  VOUT4  [PinHeader_1x01_P1.00mm_Vertical]  62.68 51.02 0 top
VOUT26  VOUT4  [PinHeader_1x01_P1.00mm_Vertical]  62.68 55.02 0 top
VOUT27  VOUT4  [PinHeader_1x01_P1.00mm_Vertical]  28.98 44.82 0 top
